# KiCad board Rogelio Pineda part 3-AMLDC-2044B.kicad_pcb (continued)
## Routing (per net, layer and track width the routed paths; a pad name or vN(x,y) marks a point on that pad's centre or on a via; arc(x,y) is an arc through that point) (continued)
R1p4: length 29.9
  Top w0.15: US1.4 US1.13 155.82,94 UR1.4 UR1.13 ; US1.4 155.54,86.1 ; US1.4 155.5,86.07 155.51,85.58 155.34,85.15 154.79,84.6 153.86,83.81 153.58,83.63 152.85,83.14 152.34,82.63 152.31,82.63 v1(152.28,82.65) 152.25,82.63 152.18,82.63
R1p5: length 17
  Top w0.15: US1.5 158.06,87.82 157.5,89.07 157.24,93.09 157.17,93.16 157.17,97.35 157.67,97.86 157.67,98.07 v1(157.64,98.11) 157.67,98.15 158.18,101.11 158.36,101.54 UR1.5
R2p9: length 16.4
  Top w0.15: 206.44,126.15 v1(206.32,126.31) 206.72,125.87 206.86,124.94 207.09,123.81 207.43,122.67 207.79,121.63 207.47,117.94 206.75,115.46 206.6,114.44 206.38,113.79 UR2.9
R3p10: length 24.4
  Top w0.15: US3.5 US3.10 238.82,101.29 239.08,101.54 UR3.5 238.9,105.8 238.92,106.35 UR3.10
R3p13: length 24.9
  Top w0.15: UR3.13 231.46,109.1 231.57,108.98 231.46,108.87 UR3.2 231.46,101.38 231.61,101.23 231.61,94.95 231.68,94.88 231.2,94.41 US3.13 231.67,93.24 231.67,92.84 231.64,92.11 231.55,88.3 US3.2
R4p13: length 29.4
  Top w0.15: 266.49,82.04 266.43,81.97 v1(266.43,82.07) 266.52,82.35 267.29,83.28 267.99,84.2 268.9,85.24 US4.4 US4.13 268.76,93.89 UR4.4 268.82,105.17 268.69,108.22 268.76,109.29 UR4.13
R5p1: length 6.4
  Top w0.15: 298.62,96.66 298.59,96.63 v1(298.63,96.63) 298.63,96.67 298.79,96.83 298.79,101.63 298.43,101.99 UR5.1
R5p5: length 5.7
  Top w0.15: UR5.5 308.65,101.53 307.89,100.71 307.49,100.38 307.04,100.14 306.07,99.81 305.64,99.87 305.05,100.34 v1(304.99,100.38) 305.01,100.34
R5p12: length 5
  Top w0.15: UR5.12 303.51,110 304.26,109.26 304.67,109 304.98,108.75 305.54,108.61 306.25,108.34 306.98,108.36 307.49,108.37 v1(307.49,108.34) 307.51,108.34 307.58,108.27
R6p12: length 9.2
  Top w0.15: UR6.12 348.66,107.92 349.19,107.21 349.51,106.55 350.37,105.54 350.67,104.83 350.75,104.83 351.61,103.6 352.35,102.4 353.09,101.29
R7p11: length 18.1
  Top w0.15: UR7.11 386.04,107.51 385.5,107.28 385.31,106.95 384.3,106.02 383.86,105.23 383.25,104.35 383.17,103.46 383.17,100.72 383.08,99.06 382.67,98.28 381.38,97.08 381.1,96.8 380.05,95.45 379.82,94.65 379.03,93.54
R7p12: length 9.4
  Top w0.15: UR7.12 383.88,107.83 383.36,106.91 382.86,106.38 382.69,106.3 382.13,105.82 381.43,105.38 381.14,105.08 380.84,104.73 380.19,104 379.89,103.28 379.23,101.24
R78p1: length 150.3
  Top w0.15: 142.37,153.9 142.37,153.83 v1(142.41,153.79) 142.51,144.17 142.56,143.18 142.52,142.64 142.49,119.13 142.01,117.4 141.29,115.45 140.49,114.01 140.26,112.88 139.8,111.41 139.62,99.81 139.56,98.84 139.45,92.46 139.56,92.34 139.56,74.04 v1(139.61,73.99) 139.56,73.94 139.56,73.23 139.65,70.55 139.78,51.74 140.12,50.74 140.53,49.89 141.07,48.95 140.96,31.13 140.93,28.8 140.87,27.31 140.89,26.42 140.91,25.83 140.85,25.43 140.95,24.25 140.83,23.34 140.57,22.43 140.17,21.16 139.66,19.92 139.26,18.89 139.24,18.89 139.14,18.08 138.95,17.37 139.01,16.39 138.95,15.87 138.93,15.51 139.1,14.48 139.23,13.61 139.32,12.74 139.39,12.26 139.68,11.23 139.89,9.92 140.09,9.11 140.22,8.28 140.49,7.29 R78.1
R82p2: length 136
  Top w0.15: 222.98,168.93 v1(222.95,168.99) 222.66,163.8 222.52,158.87 222.58,156.64 222.94,139.28 222.96,137.3 223.36,119.11 222.86,117.52 222.55,116.17 222.22,115.67 221.72,113.51 221.68,112.01 221.55,111.63 221.69,109.15 221.86,108.16 222.28,105.43 222.4,104.35 223.06,100.06 223.15,98.75 223.44,96.98 223.72,94.4 224.28,90.81 224.05,74.79 v1(224.05,72.17) 224.01,72.02 223.93,70.34 223.36,68.65 222.88,66.85 222.53,65.99 222.19,64.51 221.69,63.01 221.45,61.67 221.45,56.3 221.54,54.75 221.47,51.86 221.39,49.27 221.26,48.53 221.07,47.57 220.83,44.33 221,43.13 221.34,39.22 221.65,38.06 222.08,35.81 R82.2
S0p3: length 74.3
  Top w0.15: UW0.13 112.7,15.35 112.88,16.08 113.05,16.61 113.22,17.03 113.25,17.46 113.6,18.61 114.13,20.53 114.35,21.12 114.54,22.06 114.95,23.01 UV0.3 114.49,25.59 114.25,26.56 114.14,27.7 114.1,28.85 114.04,29.42 114.02,29.82 113.96,30.17 113.96,38.05 v1(113.93,38.08) 113.96,38.1 113.96,38.14 113.92,38.19 113.92,39.09 114.07,39.49 114.27,40.61 114.26,41.13 114.35,41.87 114.59,43.09 114.65,43.71 114.75,44.75 114.9,46.14 115.13,47.18 UU0.3 114.85,49.46 114.68,49.94 114.48,50.59 114.35,51.17 114.25,51.54 114.17,52.06 114.18,52.7 114.1,53.47 114,61.11 114.46,63.41 114.53,63.96 115.02,65.41 115.33,66.28 UT0.3 115.58,68.14 114.89,68.83 114.91,68.86 114.54,70.06 114.14,71.99 114.11,79.33 114.12,81.34 114.34,82.65 114.7,83.57 114.86,84.03 115.12,84.89 115.49,85.37 US0.3
S0p6: length 82.8
  Top w0.15: UW0.5 120.47,6.72 120.56,7.49 120.87,8.15 121.08,8.94 121.24,9.42 121.4,10.6 121.4,11.78 121.38,13.02 121.2,18.12 121.5,20.5 122.19,22.54 122.4,23.19 122.51,23.75 UV0.6 122.36,25.5 122.06,26.34 121.92,26.7 121.65,27.31 121.46,29.01 121.54,30.59 121.57,41.77 v1(121.68,42.04) 121.83,42.69 121.82,43.59 122.02,44.48 122.23,45.31 122.33,45.93 122.62,46.68 122.64,46.66 122.78,47.37 UU0.6 122.39,49.33 122.15,49.66 121.76,50.82 121.72,51.12 121.73,51.55 121.67,61.28 122.11,63.54 122.34,64.35 122.3,64.11 122.45,64.96 122.59,65.51 122.73,65.96 122.77,66.38 UT0.6 122.41,68.79 122.21,69.11 122.07,69.57 122.04,70.21 121.88,71.05 121.76,72.54 121.67,73.68 121.74,73.98 121.74,82.85 122.08,83.71 122.17,83.94 122.65,85.02 122.73,85.65 US0.6
S0p8: length 82.5
  Top w0.25: US0.8 125.36,92.94 124.42,90.81 124.42,84.68 124.47,84.63 124.25,84.4 124.25,81.72 124.42,81.55 124.42,78.79 124.9,78.31 124.9,76.91 125.74,76.07 UT0.8 125.05,74.49 124.63,73.38 124.22,71.89 124.18,71.53 124.27,71.29 124.41,65.07 124.38,64.29 124.28,63.83 124.29,62.42 124.46,61.39 124.58,60.9 124.76,59.86 125,59.25 125.01,58.85 125.2,58.2 125.36,57.58 UU0.8 125.19,54.98 124.76,53.96 124.44,52.96 124.22,51.95 124.21,40.06 124.25,39.12 124.55,36.53 124.67,36.01 124.77,35.54 125.05,33.61 UV0.8 125,31.33 125.07,30.83 124,28.29 124.12,23.56 124.09,21.48 124.09,21.02 124.14,20.59 124.1,20.17 124.1,19.09 123.91,18.2 123.62,17.07 123.34,16.21 123.22,15.85 122.99,15.25 UW0.9
S0p11: length 82
  Top w0.25: 116.71,36.27 116.56,44.63 116.5,46.11 116.62,47.92 116.59,50.74 116.58,50.75 116.64,52.06 116.73,52.22 116.68,52.73 117.19,54.03 117.72,55.2 UU0.11 117.76,56.95 117.28,57.78 116.91,58.96 116.7,60.43 116.64,61.28 116.61,61.31 116.61,62.56 116.73,64.16 116.71,69.13 116.62,70.16 116.65,71.12 117.01,72.47 117.7,73.97 UT0.11 117.57,76.47 117.03,77.5 116.77,77.94 116.79,79.57 116.7,80.3 116.76,81.95 116.8,85.73 116.8,88.66 116.86,90.5 117.02,91.17 117.13,91.45 117.58,93.09 118.17,93.24 US0.11 ; 116.71,36.27 116.7,36.26 ; 116.71,36.27 116.76,35.52 116.94,34.41 117.36,33.14 UV0.11 118.07,30.64 118.54,29.59 118.76,27.97 118.82,26.99 119.12,24.95 118.7,21.65 118.6,20.9 118.45,20.34 118.28,18.96 118.18,18.24 118.13,17.49 118,16.88 117.91,16.37 117.73,15.56 UW0.11
S2p1: length 11.7
  Top w0.15: 190.12,77.44 v1(190.12,77.54) 190.12,77.9 189.77,78.25 189.55,79.52 189.19,81.16 189.1,82.34 189.05,82.71 188.81,84.92 US2.1 US2.2
S2p13: length 17.6
  Top w0.15: v1(202.57,83.72) 202.57,86.7 202.04,88.3 200.95,89.57 199.85,89.9 196.36,90.51 195.06,90.81 193.52,91.46 192.02,92.67 US2.13
S3p3: length 74.1
  Top w0.15: UW3.13 232.24,14.92 232.5,16.07 232.76,16.79 233.11,18.19 233.58,19.99 233.62,20.44 234.14,21.58 UV3.3 234.11,24.7 233.61,25.87 233.4,26.99 233.22,27.75 233.19,27.87 233.2,28.94 233.15,29.5 233.17,31.28 233.05,34.57 233.44,36.1 233.72,37.07 233.96,37.88 233.94,37.97 234.2,39.94 234.46,40.93 234.46,42.27 234.44,42.29 234.61,44.84 234.51,45.38 234.48,46.1 UU3.3 234.13,49.25 233.84,50.1 233.7,50.8 233.43,51.8 233.37,52.79 233.16,53.36 233.11,54.72 233.1,55.62 232.97,55.75 233.08,57.7 233.05,59.52 233.15,61.29 233.58,63.06 233.89,64.61 234.07,65.83 UT3.3 233.9,68.11 233.59,68.49 233.47,69.81 233.26,70.63 233.23,71.36 233.22,72.53 233.05,74.81 233.05,80.65 233.09,82.06 233.49,83.2 233.74,84.13 233.92,84.78 233.74,84.95 US3.3
S3p6: length 82.7
  Top w0.15: 240.65,15 240.63,15.03 ; 240.63,15.03 240.65,13.01 240.47,11.42 240.26,10.55 240.21,9.79 239.93,8.76 UW3.5 ; 240.63,15.03 240.51,17.55 240.83,19.55 241.17,20.9 241.7,22.15 241.9,23.55 241.52,25.45 241.21,26.31 241.04,27.46 240.57,30.01 240.57,34.59 240.52,35.91 240.6,37.81 240.64,39.01 240.68,38.48 240.84,41.01 241.13,42.34 241.15,43.3 241.31,44.13 241.48,45.54 241.85,46.73 241.92,47.86 241.58,49 240.81,51.48 240.74,51.92 240.49,54.74 240.7,56.97 240.48,61.08 240.65,62.88 240.99,63.94 241.3,64.95 241.66,65.63 UT3.6 241.59,68.44 241.26,69.33 240.81,71.05 240.49,72.01 240.49,77.58 240.38,78.22 240.33,80.82 240.81,82.55 241.04,83.47 241.21,84.29 241.36,85.28 US3.6
S3p8: length 81.8
  Top w0.15: US3.8 243.9,93.45 243.58,92.06 243.07,90.4 242.7,85.54 242.96,83.55 243.02,82.29 243.15,80.92 243.27,79 UT3.8 244.12,73.77 243.87,73.29 243.01,71.13 243.12,66.41 243.08,65.04 243.15,64.34 243.23,61.72 243.46,60.52 243.85,58.95 244.08,58.36 244.14,58.03 244.52,57.14 244.46,57.08 UU3.8 244.01,54.28 243.73,53.37 243.36,51.55 243.25,51.06 243.11,50.08 243.09,48.73 243.09,42.71 243.1,42.69 243.08,41.68 243.16,38.59 243.16,37.46 243.19,37.42 243.34,36.35 243.75,34.63 243.84,33.88 243.98,33.72 244.12,33.12 244.27,32.51 UV3.8 244.05,30.19 243.59,28.81 243.23,27.55 243.17,26.7 243.13,26.18 243.14,25.37 243.14,22.73 243.13,22.47 243.06,21.6 242.97,20.07 242.71,18.85 242.53,17.33 242.43,16.49 242.3,16.15 242.16,15.49 UW3.9
S3p11: length 82.4
  Top w0.15: 237.61,86.44 237.95,88.48 237.67,91.22 237.11,92.33 236.28,93.06 US3.11 ; 237.83,37.83 237.85,37.85 ; 237.85,37.85 237.79,37 237.72,35.98 237.61,35.32 237.63,34.72 237.56,34.15 237.44,33.47 237.26,32.86 237.11,32.25 UV3.11 237.55,29.39 237.82,28.81 237.95,28.2 238.06,27.66 238.12,23.53 238.07,21.95 238.01,20.75 237.82,19.64 237.7,18.81 237.61,18.11 237.49,17.43 237.28,16.62 237.07,15.72 236.92,15.22 236.94,15.06 UW3.11 ; 237.85,37.85 237.96,39.59 237.93,40.59 237.98,41.53 238.03,42.25 238.11,50.43 237.96,51.59 237.92,52.03 237.66,53.02 237.43,54.07 237.14,54.51 UU3.11 236.84,57.23 237.05,58.14 237.17,58.59 237.26,59.14 237.43,60.17 237.57,61.03 237.71,61.71 237.94,63.15 238.06,64.91 238.06,71.54 237.78,72.72 237.26,73.7 236.76,73.96 UT3.11 237.06,75.88 236.96,76.76 237.17,77.83 237.29,79.71 237.41,80.09 237.57,81.14 237.83,83.08 238.05,84.71 237.6,86.56
S6p12: length 9.3
  Top w0.15: US6.12 347.96,92.98 348.53,92.56 348.8,92.21 349.13,91.86 349.33,91.53 350.02,90.57 351.24,88.88 351.59,88.21 351.92,87.72 352.42,86.89 353.04,86.06
S7p11: length 18.7
  Top w0.15: US7.11 386.49,92.52 385.65,91.79 384.78,90.66 384.13,89.84 383.48,88.98 383.3,88.31 383.01,87.39 383.04,85.53 383.13,84.26 383.07,82.15 382.73,80.95 382.15,79.94 381.36,78.58 380.46,76.72
S7p12: length 9.3
  Top w0.15: US7.12 383.85,92.57 383.32,91.67 382.51,90.51 381.67,89.74 380.81,88.9 380.46,88.61 380.2,88.18 379.98,87.47 379.03,85.92
SPARE: length 12.7
  Top w0.15: 82.62,224.11 83.97,222.59 84.82,221.59 R56.1 ; 82.83,223.95 81.86,224.71 81.78,224.83 80.96,225.37 80.28,225.71 75.83,225.95 J1.79
T0p10: length 7.8
  Top w0.15: UT0.10 120.42,74.94 120.42,73.85 120.46,73.29 120.37,70.69 120.4,69.97 120.39,68.54 120.39,67.84 UT0.5
T0p13: length 7.6
  Top w0.15: UT0.2 112.83,69.31 112.83,70.75 112.81,72.51 112.85,73.6 112.89,74.32 UT0.13
T1p6: length 5.8
  Top w0.15: UT1.6 160.92,68.34 160.83,69.09 160.77,69.41 160.35,70.71 160.18,71.39 160.1,71.62 159.93,72.2 159.74,72.32 v1(159.76,72.66) 159.74,72.68 159.78,72.72
T2p1: length 20.3
  Top w0.15: UT2.1 188.93,65.98 189.34,65.6 189.68,64.79 190.2,64.07 190.7,63.11 191.5,61.72 191.8,61.13 192.22,60.17 192.48,59.04 192.52,58.1 192.62,57.45 192.68,56.52 192.77,53.5 192.78,52.19 192.88,51.21 193.12,50.63 193.5,49.48 193.62,49.1 UU2.3
T2p2: length 12.8
  Top w0.15: UU2.11 196.43,56.59 196.01,57.33 195.32,58.42 194.9,59.43 194.57,60.09 194.32,60.42 193.89,61.45 193.55,62.01 193.13,62.87 192.58,63.95 191.94,65.57 191.38,66.3 UT2.2
T2p4: length 20.5
  Top w0.15: UU2.6 200.77,48.98 200.14,49.92 199.84,50.45 199.02,51.5 198.66,52.08 198.19,52.87 197.92,53.45 197.82,53.86 197.69,56.63 197.67,57.55 197.55,60.32 197.39,63.9 197.18,64.55 196.82,65.54 196.53,66.15 196.53,66.21 196.46,66.28 UT2.4
T2p5: length 13
  Top w0.15: UU2.8 203.67,56.8 203.38,57.43 203.05,58.07 202.68,58.96 202.22,59.78 201.73,60.66 201.17,61.85 200.63,63.03 200.1,64.15 199.61,65.13 UT2.5 199,66.81
T3p10: length 7.6
  Top w0.15: UT3.5 239.35,70.41 239.31,72.34 UT3.10
TRK2: length 26.4
  Top w0.15: J1.87 80.07,213.18 81.15,212.56 81.63,212.15 81.85,212.02 82.15,211.85 82.4,211.58 83.05,211.02 83.37,210.65 84.06,209.98 84.8,209.31 85.66,208.34 86.05,207.94 87.12,206.61 87.74,205.83 87.99,205.55 90.1,203.15 91.29,201.57 91.84,200.9 92.49,200.11 92.86,199.59 93.4,199.08 93.62,198.76 93.84,198.45 94.42,197.94 ; v1(95.08,197.28) 94.33,198.02
TRK3: length 30.5
  Top w0.15: 87.2,209.46 88.82,207.76 89.44,207.04 89.55,206.87 91.92,204.69 91.92,204.67 93.01,203.58 93.62,202.98 94.37,202.49 95.09,202.17 96.67,201.51 v1(97.59,201.1) 97.61,201.12 ; J1.83 80.14,219.53 80.55,218.92 80.96,218.66 81.55,218.12 82.54,216.68 82.96,216.16 ; 87.27,209.38 86.86,209.83 85.71,211.43 85.49,211.71 84.11,213.8 82.9,216.23
TRK4: length 25.5
  Top w0.15: 93.77,195.3 v1(93.86,195.3) 93.14,196.11 92.62,197.01 92.24,197.38 91.59,198.61 91.36,198.98 91.2,199.26 90.6,200.18 90.09,200.97 89.02,202.6 88.39,203.59 86.96,205.34 85.95,206.26 85.11,207.11 84.05,208.21 ; J1.89 79.9,210.01 80.42,210.01 80.88,209.97 81.11,209.97 81.49,209.76 82.4,209.47 83.19,208.84 84.27,208.05
TRK6: length 21.4
  Top w0.15: 93.32,244.03 93.07,243.87 92.77,243.65 92.29,243.51 91.82,243.31 90.88,242.67 90.51,242.48 90.25,242.38 89.59,242 88.89,241.59 88.19,241.24 87.26,240.62 86.98,240.43 85.5,239.28 85.2,239.07 85.04,238.94 84.04,238.28 83.68,238.01 83.3,237.79 82.62,237.29 81.76,236.91 81.13,236.59 ; 81.16,236.61 80.38,236.29 J1.73 ; 94.29,244.88 v1(94.31,244.86) 94.29,244.75 93.94,244.41 93.2,243.95
U0p2: length 7.7
  Top w0.15: UU0.2 112.73,49.5 112.75,49.86 112.75,54.71 112.77,55.19 UU0.13
U0p10: length 7.7
  Top w0.15: UU0.10 120.36,54.91 120.24,51.14 120.23,49.87 120.18,49.56 UU0.5
U1p3: length 44.2
  Top w0.15: UU1.3 152.95,47.26 152.56,46.69 151.65,45.55 151.43,45.17 150.73,44.3 150.44,43.78 150.06,43.1 150.03,41.72 150.32,40.11 150.58,39.12 150.64,38.62 151.19,37.08 151.49,36.15 151.81,35.13 152.08,33.66 152.08,28.07 152.25,27.47 152.8,26.02 152.98,25.29 UV1.3 152.86,23.74 152.99,22.73 152.48,22.02 152.03,20.55 151.89,19.22 152.03,13.41 151.82,10.59 151.39,9.38 151.36,9.31 151.3,8.97 151.27,8.54 150.92,7.53 150.71,6.1
U1p4: length 45
  Top w0.15: UU1.4 155.96,47.07 156.27,46.53 156.39,45.33 156.56,44.13 156.79,43.26 156.87,42.38 156.93,40.55 156.99,39.47 157.03,37.26 157,35.66 157.09,30.09 157.03,29.57 156.91,28.66 156.83,28.01 156.49,26.86 156.07,25.52 ; 156.17,25.71 155.79,24.95 155.79,24.13 155.87,22.94 156.08,22.09 156.62,21.06 157.11,20.29 157.59,19.41 158.24,18.58 158.46,18.12 159.36,16.48 159.46,11.73 159.63,10.88 160.28,9.85 160.63,9.43 161.19,8.7 161.7,8.25 UW1.7
U1p10: length 59.5
  Top w0.15: UU1.10 158.89,54.74 159.1,54.08 159.61,52.59 159.74,42.83 159.71,42.76 159.73,42.42 159.64,40.46 159.46,39.47 159.35,38.29 159.2,37.37 159.15,36.62 158.82,35.44 158.72,34.28 158.33,32.68 UV1.10 158.96,30.8 159.36,30.17 160.32,29.09 160.92,28.47 161.24,28.12 162.01,26.95 162.06,12.62 162.11,12.13 162.22,12 162.47,11.04 163.03,10.29 163.52,9.68 164.04,8.93 164.34,8.39 164.63,5.72 164.62,4.42 164.42,4 164.3,3.82 163.94,3.52 163.66,3.5 163.22,3.45 162.38,3.65 161.4,4.52 161.25,4.72 161.06,4.91 UW1.6
U1p11: length 50.6
  Top w0.15: UW1.3 153.66,7.32 153.8,7.94 153.89,8.36 154.11,9.18 154.31,10.3 154.44,10.83 154.46,11.6 154.5,13.08 154.37,20.13 154.48,28.58 155.21,30.66 155.79,31.75 155.79,36.65 155.74,37.06 155.73,38.4 155.54,41.09 155.38,41.45 155.1,42.76 154.51,45.85 154.56,46.36 154.6,46.56 154.63,46.59 154.63,53.02 155.05,54.01 155.55,54.86 UU1.11
U2p2: length 16.5
  Top w0.15: UU2.2 191.45,46.87 191.43,46.48 191.41,46.2 191.52,45.74 191.51,45.23 191.56,44.58 191.62,44.24 191.66,43.48 191.79,42.68 192.05,40.65 192.12,40.32 192.18,39.57 192.44,38.47 192.85,36.59 193.05,35.69 193.23,35.15 193.44,34.6 193.76,33.2 UV2.12
U2p5: length 16.2
  Top w0.15: UV2.10 198.84,46.47 198.82,46.5 UU2.5
U2p9: length 24.1
  Top w0.15: UV2.8 203.92,33.66 203.8,34.89 203.67,35.94 203.59,36.9 203.45,37.73 203.35,38.55 203.28,39.2 203.19,40.13 203.14,41.58 203.05,41.94 202.95,44.26 202.89,45.59 202.87,46.68 202.73,50.46 202.75,51.43 202.29,52.96 201.8,54.34 UU2.9
U2p13: length 32.1
  Top w0.15: UU2.13 190.66,54.02 190.42,53.05 190.24,52.3 190.21,43.76 190.39,42.32 190.39,41.8 190.5,41.43 190.69,40.32 190.8,39.73 190.95,39.44 191.17,38.44 191.41,37.75 191.56,36.95 191.96,35.48 192.19,34.35 192.51,32.98 192.51,29.76 192.48,29.09 192.25,27.07 192.04,26.32 191.76,25.4 UV2.2
U3p10: length 7.6
  Top w0.15: UU3.10 239.21,54.2 239.25,51.58 UU3.5
U3p13: length 7.6
  Top w0.15: UU3.2 231.87,53.29 231.87,54.38 UU3.13
U4p3: length 43
  Top w0.15: 264.25,5.52 264.6,6.92 264.72,7.82 264.91,8.43 265.29,9.53 265.48,11.12 265.59,12.9 265.58,16.22 265.57,16.96 265.57,18.58 265.41,20.01 265.88,21.27 265.97,21.61 266.46,22.4 UV4.3 266.28,25.14 266.01,25.64 265.7,26.74 265.48,28.56 265.55,30.64 265.56,31.1 265.56,36.33 265.66,36.43 265.66,38.99 266.01,41.66 266.22,43.13 266.79,46.55 UU4.3
U4p4: length 45.1
  Top w0.15: UW4.7 276.38,6.54 275.86,7.09 275.51,7.6 275.21,8.06 274.01,9.75 273.74,10.22 273.12,11.82 273.06,14.2 273.03,16.04 272.87,18.47 272.44,19.38 272.09,19.7 271.97,19.85 271.75,20.16 270.89,21.02 270.44,21.51 269.99,22.12 269.2,22.91 UV4.4 269.2,24.29 269.85,25.55 270.05,26.6 270.34,27.7 270.62,30.33 270.58,31.17 270.72,37.26 270.59,38.46 270.48,41.03 270.33,41.73 270.23,42.75 270.1,43.8 270.07,44.09 270.03,44.29 269.71,46.09 269.5,46.64 UU4.4
U4p10: length 60.7
  Top w0.15: 275.61,11.79 275.61,12.91 275.53,14.15 275.5,14.12 275.49,16.21 275.52,17.1 275.52,17.93 275.55,21.61 275.52,25.62 275.18,26.84 274.61,27.75 273.73,28.73 273.33,29.11 272.99,29.46 272.95,29.85 272.33,30.42 UV4.10 271.97,32.62 272.14,33.33 272.51,35.24 272.52,35.62 272.92,38.75 272.92,40.55 273,41.27 273,42.46 273.08,44.71 273.09,45.88 273.07,52.61 272.74,53.72 271.87,55.37 ; 275.61,11.7 275.7,10.51 275.89,10.32 276.44,9.29 277.19,8.36 277.85,7.13 277.85,6.66 278.08,6.44 277.92,3.08 276.97,2.48 275.51,2.69 274.68,3.28 274.51,3.58 274.27,4.04 274.16,4.73 274.41,5.52
U4p11: length 50.6
  Top w0.15: UU4.11 268.89,54.31 268.5,53.26 268.18,52.16 268.13,51.69 268.08,50.26 268.19,43.93 268.25,42.78 268.22,41.69 268.27,40.78 268.28,39.93 268.35,38.68 268.62,35.87 268.7,35.58 268.96,33.76 269.1,33.18 269.2,32.3 UV4.11 268.82,30.05 268.14,28.49 268.06,27.88 267.99,27.64 268.09,23.57 268.04,20.51 268.04,18.82 268.01,17.39 268.07,16.77 268.15,16.05 267.97,13.32 267.91,11.7 267.74,10.36 267.63,9.72 267.27,8.21 267.08,5.81 UW4.3
U4p13: length 24.6
  Top w0.15: 264.25,55.37 264.12,54.3 264.03,53.78 263.84,53.44 263.5,52.62 263.13,51.44 263.07,46.91 263.06,45.22 263.1,44.64 263.09,43.26 263.24,40.9 263.29,39.92 263.32,39.88 263.28,38.95 263.55,36.98 263.87,34.88 263.95,34.43 264.08,33.15 264.18,32.7 264.28,31.99 UV4.13
W0p2: length 4.6
  Top w0.15: 112.42,1.75 112.4,1.77 112.4,1.83 v1(112.39,1.85) 112.4,1.87 112.4,4.58 112.42,5.21 UW0.2
W1p13: length 15.9
  Top w0.15: 149.45,2.79 v1(149.41,2.85) 153.17,3.01 154.31,3.19 154.39,3.19 154.91,3.65 155.51,4.36 155.63,4.78 155.79,6.1 155.7,9.03 155.75,13.58
W2p9: length 16.5
  Top w0.15: UW2.3 194.03,6.98 194.51,7.67 195.1,8.13 195.69,8.43 198.84,9 199.35,8.98 200.27,9.12 200.93,9.22 202.24,9.31 203.72,9.65 204.25,9.94 205.06,10.49 205.45,11.01 206.06,12.02 206.27,12.42 206.36,13.48 UW2.9
W2p10: length 16.4
  Top w0.15: UW2.2 191.42,7 192.12,8.18 192.4,8.55 192.97,9.05 194.35,9.52 195.1,9.81 199.1,10.31 200.02,10.53 201.87,11 203.51,12.3 203.58,13.24 UW2.10
W4p13: length 7.6
  Top w0.15: UW4.13 UW4.4
WALLOUT: length 27.4
  Top w0.15: 92.72,266.91 v1(92.69,266.91) 92.72,266.66 91.95,266.48 90.85,265.45 89.72,264.25 89.45,263.73 88.67,262.67 87.13,260.64 86.36,259.71 85.61,258.6 85.08,257.72 84.66,257.04 83.91,255.83 82.95,253.34 82.42,252.27 82.11,251.5 81.53,250.26 80.69,249.12 80.04,248.11 J1.65
~{DATA1}: length 45.4
  Top w0.15: 90.69,57.09 90.3,56.72 89.76,56.29 88.52,55.74 85.98,55.59 84.25,56.14 83.05,56.58 80.72,57.74 79.71,58.75 J2.65 ; 86.91,84.94 v1(86.88,85.01) 87.07,84.94 88.41,83.6 88.7,83.18 88.88,82.89 89.89,81.9 90.88,80.37 91.41,78.28 91.34,76.12 91.33,75.04 91.3,74.58 91.12,73.31 91.04,72.17 90.83,70.46 90.81,69.61 90.91,68.03 90.96,66.2 91.06,65.27 91.11,64.42 91.33,63.02 91.69,60.93 91.73,58.41 90.75,57.1
~{DATA3}: length 119.9
  Top w0.15: 100.09,143.62 v1(100.02,143.62) 99.65,143.12 99.51,142.95 99.24,142.64 99.1,142.24 99.24,140.81 99.34,140.49 99.5,139.73 99.74,138.46 99.78,138.14 99.91,137.35 100.11,136.29 100.16,135.57 100.16,133.2 100.18,132.75 100.13,132 99.95,130.2 99.87,129.58 99.65,128.29 99.6,128.09 99.39,127.44 99.25,126.04 99.19,125.81 99.04,125.19 98.88,121.85 98.93,121.1 99.16,119.21 99.17,118.37 99.29,117.43 99.51,112.8 99.46,112.04 99.47,111.44 99.65,102.9 99.63,102.68 99.54,98.62 99.59,93.13 99.55,92.06 99.49,88.48 99.45,88.09 99.51,86.33 99.11,84.2 98.96,83.01 98.58,80.84 98.48,78.69 98.48,78.39 98.4,77.79 98.41,77.34 98.5,75.45 98.71,74.52 99.16,73.13 99.49,71.98 100.07,70.29 100.52,68.6 100.91,67.31 101.22,66.17 101.39,63.87 101.33,62.51 101.01,59.57 100.78,58.47 100.63,57.44 100.4,56.43 100.28,55.5 100.27,54.31 100.29,51.71 100.31,50.73 100.04,49.44 99.07,47.79 97.13,47.24 95.32,46.9 91.76,46.49 89.33,46.29 83.83,46.11 81.4,46.01 J2.73
~{DATA4}: length 10
  Top w0.15: 85.87,64.16 85.89,64.18 v1(85.78,64.18) 85.78,64.07 85.63,63.92 84.63,63.78 83.51,63.7 83.16,63.64 82.62,63.71 81.27,63.85 79.92,65.1 J2.61
~{DATA5}: length 6.8
  Top w0.15: J2.57 80.66,71.61 81.65,71.62 82.29,71.3 v1(83.15,70.84) 83.16,70.79
~{DATA6}: length 49.9
  Top w0.15: 102.64,36.81 102.66,36.84 v1(102.57,36.84) 102.57,36.75 102.33,36.5 102.25,33.55 102.27,32.87 102.37,30.89 102.51,30.36 102.93,29.29 103.88,26.5 104.25,21.75 104.24,16.16 103.96,15.52 103.43,15.29 102.17,14.41 99.33,14.3 98.37,14.24 94.48,13.97 93.69,13.89 93.38,13.91 91.8,13.77 90.26,13.71 87.57,13.35 86.91,13.13 85.12,12.57 83.02,11.99 82.44,11.86 81.53,11.53 J2.95
~{DATA7}: length 6.3
  Top w0.15: 82.68,73.71 82.67,73.71 v1(82.65,73.73) 82.63,73.71 81.33,74.02 80.86,74.12 80.36,74.63 J2.55
~{DATA9}: length 13.8
  Top w0.15: 89.17,60.4 89.21,60.43 v1(89.06,60.43) 89.06,60.28 89.07,60.29 84.91,60.29 84.26,60.43 82.15,60.47 80.75,60.88 80.64,61.93 J2.63
~{DATA10}: length 10.7
  Top w0.15: J2.75 80.9,43.01 81.5,43.08 84.79,43.2 84.99,43.26 85.14,43.26 v1(87.2,43.25) 87.21,43.26 87.24,43.29
~{DATA12}: length 22.3
  Top w0.15: J2.59 80.12,68.28 81.4,67.16 83.19,66.96 84.06,67.09 84.6,67.39 85.22,67.84 85.67,68.33 85.93,68.71 86.44,70.1 86.82,73.95 86.77,74.46 86.7,75.1 86.62,76.26 86.32,77.26 86.08,77.57 85.81,78.21 85.27,78.84 85.18,78.96 v1(84.43,79.62) 84.43,79.71 84.5,79.64
~{DCHM0}: length 142.3
  Top w0.15: v1(96.29,259.55) 96.98,257.92 97.55,256.87 98.26,253.8 98.33,253.21 98.53,251.47 98.62,250.52 98.43,249.05 98,246.84 97.8,246.05 97.63,243.82 97.64,242.74 97.61,238.56 97.6,236.78 97.63,235.13 97.63,234.66 97.55,230.79 97.26,228.77 97.01,227.1 96.81,226.34 96.73,224.11 96.78,222.9 97.26,221.8 97.78,220.41 98.4,219.07 99.18,217.21 99.36,216.39 99.9,214.96 100.26,213.42 100.55,212.41 100.72,210.59 100.8,209.5 100.71,206.9 100.68,205.42 100.38,202.6 100.12,200.74 99.8,197.25 99.67,196.27 99.02,191.68 98.43,188.41 98.03,185.66 97.71,184.28 97.54,182.73 96.7,178.97 96.39,175.74 96.33,174.56 96.52,173.91 96.72,172.12 97.21,168.92 97.37,167.18 97.49,166.53 97.66,165.23 97.8,162.09 97.95,161.04 97.85,158.02 97.75,156.97 97.47,155.19 96.9,153.64 96.52,152.65 94.94,148.97 94.27,147.47 94.04,146.65 93.78,146.05 93.11,144.24 93,141.82 93.1,141.48 93.27,140.97 93.47,138.74 93.44,138 93.33,137.55 93.03,136.82 92.38,136.2 91.27,135.51 89.41,135.2 88.81,135.08 87.62,134.97 82.11,135.17 81.83,135.2 81.29,135.17 J2.17
~{DCHP OUT}: length 8.7
  Top w0.15: J1.93 76.09,203.99 80.27,203.99 81.37,204.57 81.86,204.9 82.8,205.19 83.82,205.52 v1(83.82,205.57) 83.87,205.57 83.92,205.62
~{DCHR}: length 177
  Top w0.15: J2.35 76.63,106.61 84.61,106.49 88.84,106.79 89.86,106.99 93.41,107.2 94.81,107.55 95.98,107.93 96.49,108.83 96.55,109.05 96.73,109.94 96.67,111.71 96.56,112.27 96.55,114.71 96.35,116.02 96.23,119.47 96.04,120.16 95.8,124.57 95.93,125.43 96.22,127.49 96.49,128.6 96.63,129.57 97.2,132.34 97.2,135.89 96.62,138.15 96.11,140.66 95.85,141.59 95.74,142.43 96.22,144.93 96.86,146.09 97.29,147.3 97.95,148.65 98.59,150.05 99.55,152.11 100.06,153.27 100.32,154.06 100.68,155.64 100.88,157.39 100.63,163.32 100.48,164.74 99.97,168.53 99.72,170.64 99.5,173.64 99.35,175.07 99.36,175.6 99.37,176.07 99.5,177.64 99.72,178.22 100.1,180.9 100.43,182.41 100.76,184.6 101.08,185.88 101.4,188.03 101.65,189.28 102.18,193.31 102.41,194.99 102.74,197.45 102.92,199.44 103.38,202.61 103.36,203.99 103.56,204.89 103.62,205.74 103.79,213.48 103.69,213.58 103.69,215.98 103.69,216.44 103.59,218.08 103.6,218.61 103.43,219.44 103.18,220.17 102.83,221.18 102.36,222.31 101.68,223.44 101.56,223.6 101.12,224.6 100.83,225.06 99.88,227.32 99.66,229.97 99.6,230.04 99.48,233.59 99.46,235.06 99.42,240.06 99.44,241.22 99.42,243.34 99.32,244.03 99.52,245.72 99.94,248.17 100.06,248.93 100.34,250.59 100.21,252.87 99.99,253.72 99.83,255.2 99.56,257.02 99.46,258.28 99.21,259.25 98.75,260.47 v1(98.15,262.25)
